# KiCad board JumperlessRev1.kicad_pcb (continued)
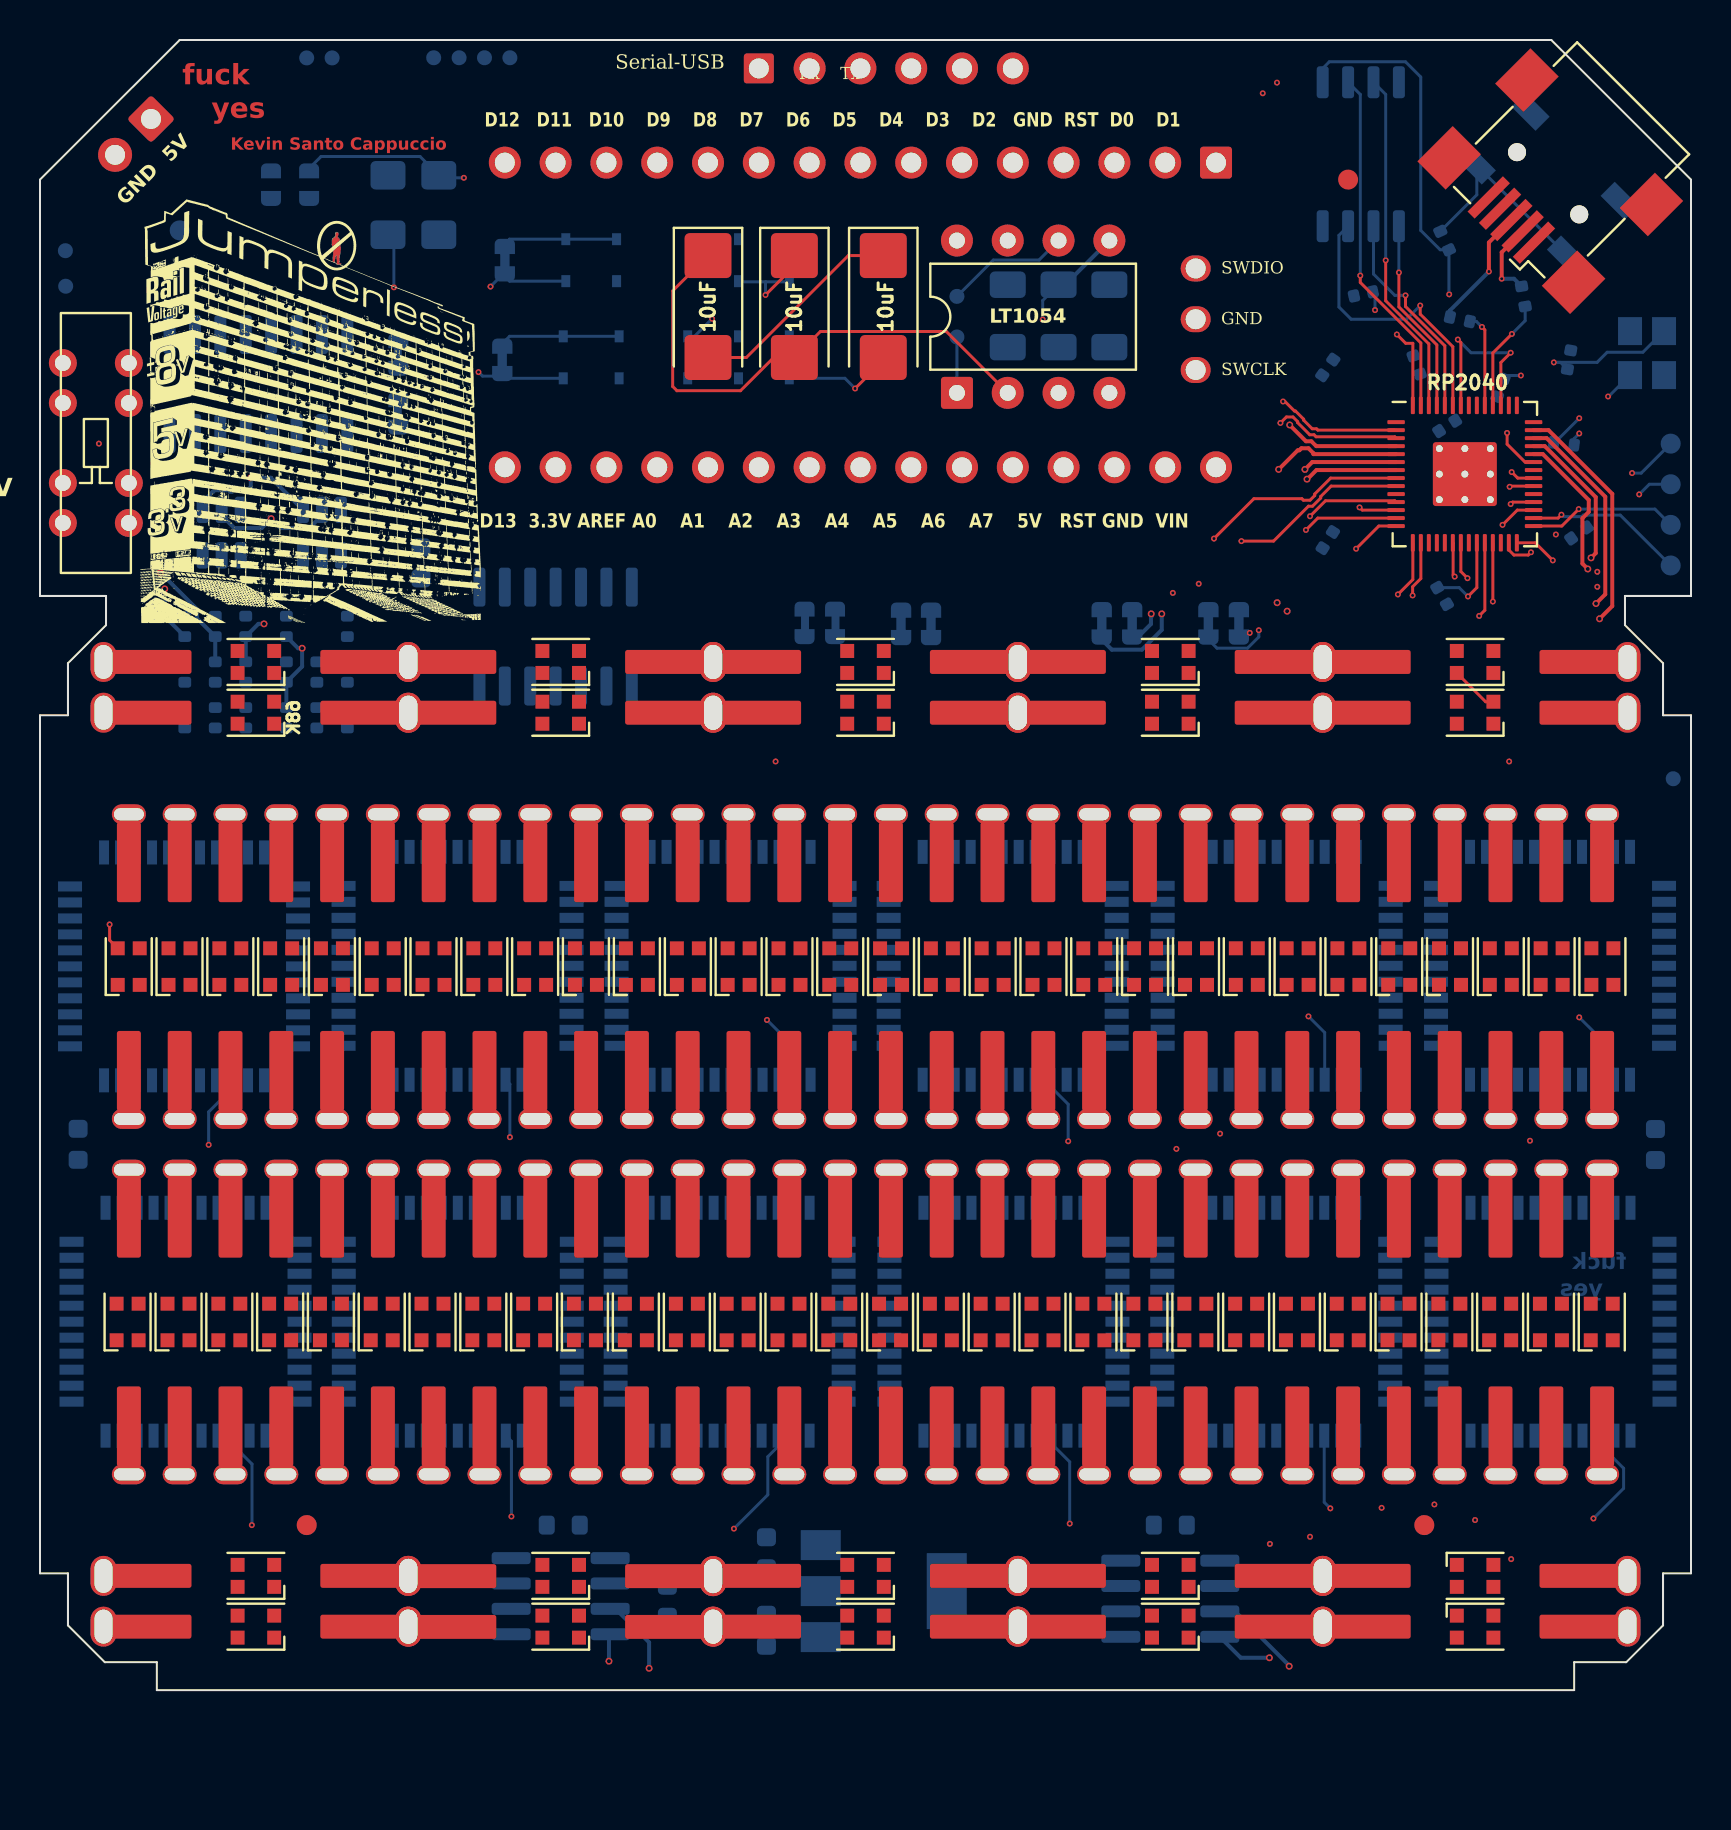
[diagram p0: board, top side]
## Text on the board (continued)
Bottom: fuck / yes
B.Silkscreen: JLCJLCJLCJLC | 0 | 1 | 2 | ADC | 3 | DAC | +7V | -7V | CURRENT SENSE | +8V | -8V | NANO  DISCONNECTS | DAC PWR CUTOFF | CUT  FOR  +-7V | D1    D0   RST  GND   D2    D3    D4    D5    D6    D7    D8    D9    D10   D11   D12 | VIN  GND  RST  5V    A7    A6    A5    A4    A3    A2    A1    A0 AREF 3.3V  D13 | GND | 5V | Tx | Rx | V  OUT | 5V 3V | RESET | I^{2}C | SDA SCL | UART | Tx  Rx | 0-5V | +-8V | SWDIO | SWCLK | 0   1 | 16 / 17 / 18 / 19 | GPIO | E | A | F | B | I | J | L | K | G | C | D | H
Top: Kevin Santo Cappuccio | fuck / yes
F.Silkscreen: Rx    Tx | D12   D11   D10    D9    D8    D7    D6    D5    D4    D3    D2   GND  RST  D0    D1 | D13  3.3V AREF A0    A1    A2    A3    A4    A5    A6    A7    5V   RST GND  VIN | Rail Voltage | GND | 5V | ±8V | 3.3V
